# KiCad board Scopefun_v2.kicad_pcb (continued)
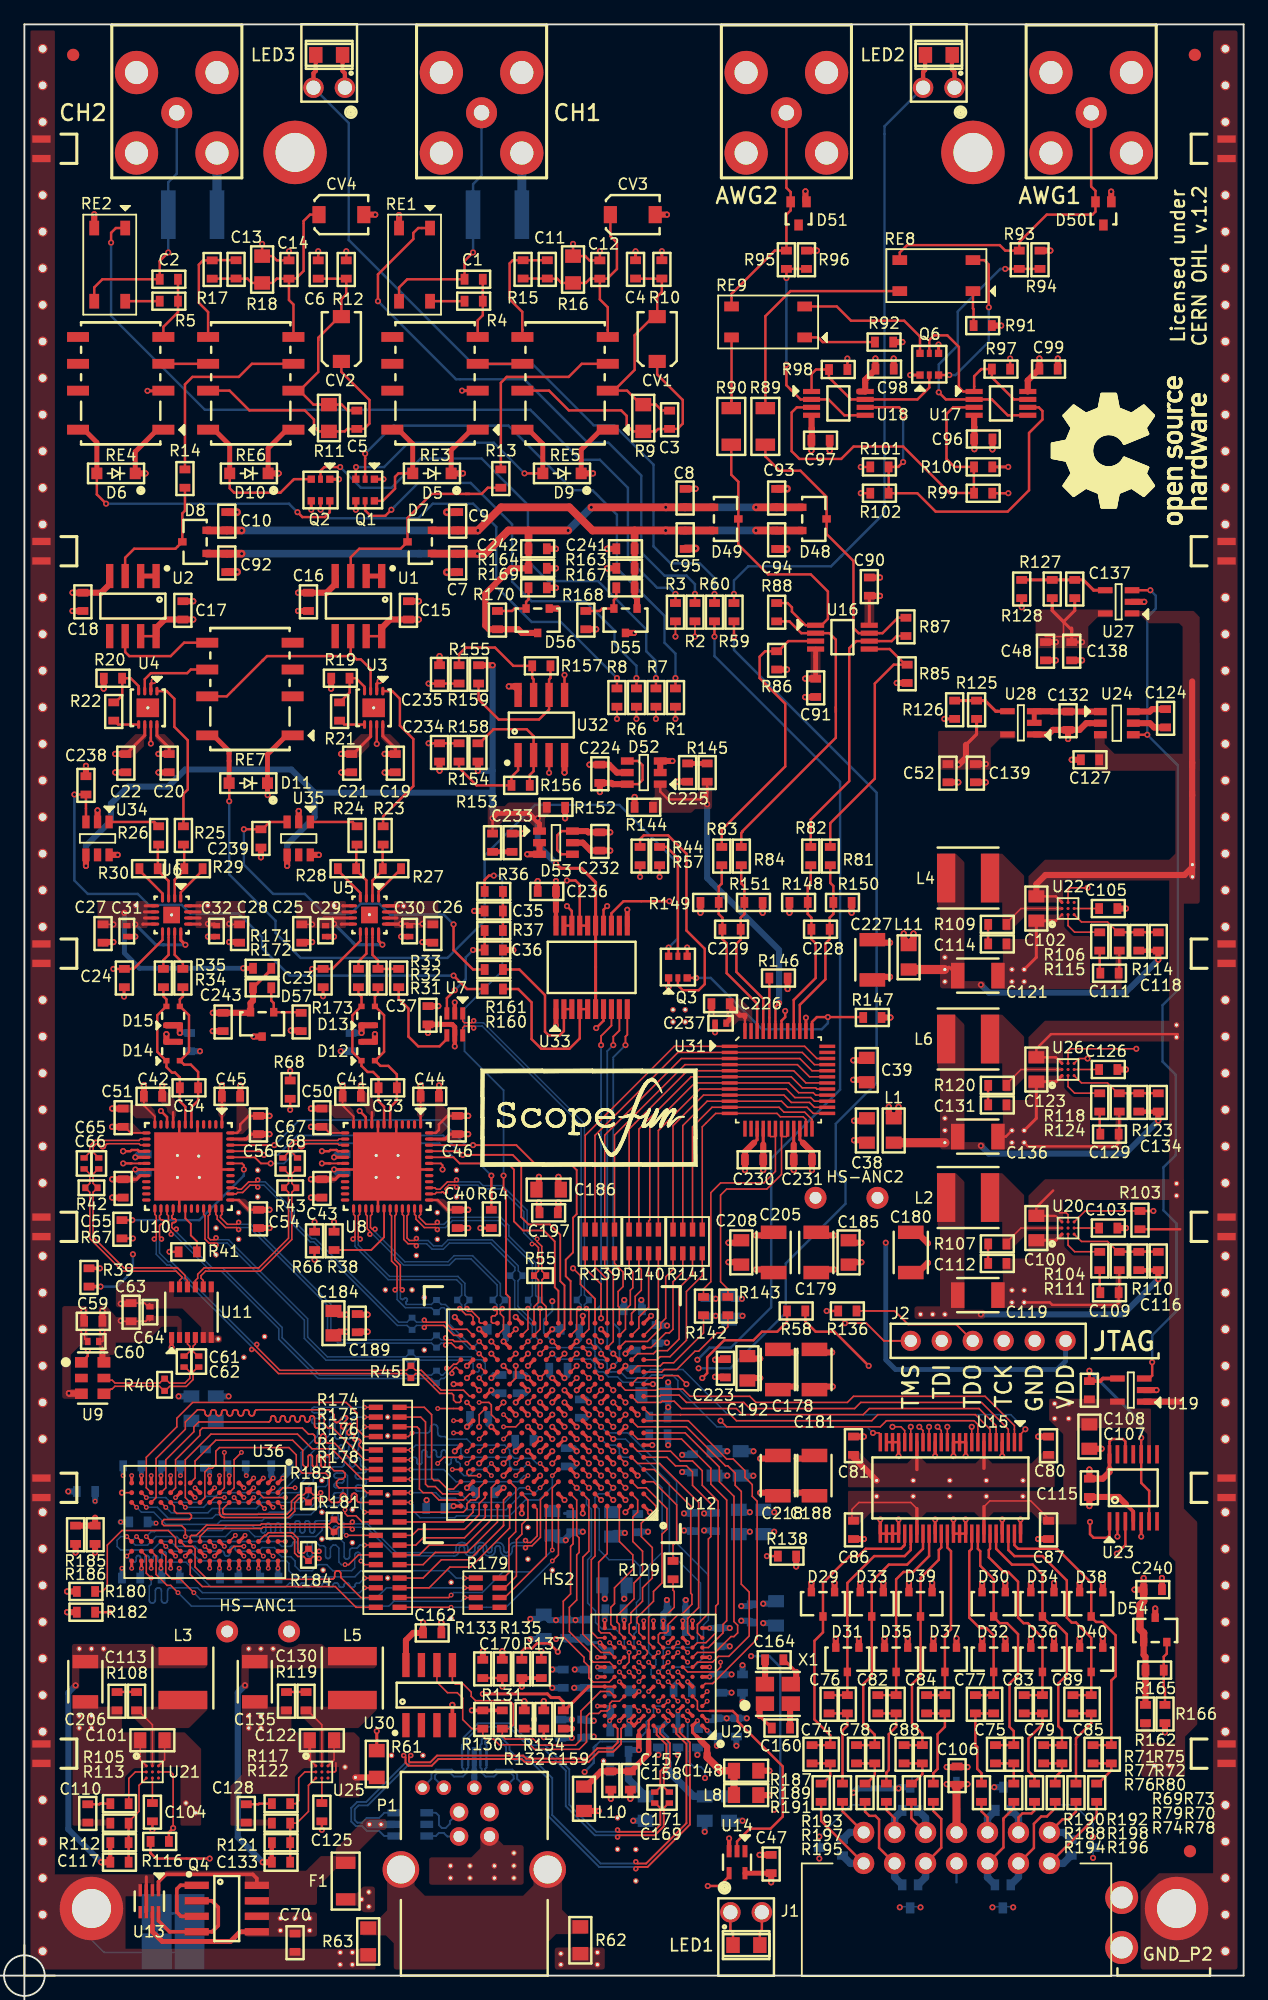
[diagram p0: board, top side]
## Routing (per net, layer and track width the routed paths; a pad name or vN(x,y) marks a point on that pad's centre or on a via; arc(x,y) is an arc through that point) (continued)
DDR3_DQ8: length 29.5
  Top w0.127: U36.D7 v2(18.8,35.2) ; U12.E15 v2(36.3,42)
  In2.Cu w0.127: v2(36.3,42) 35.3,41 34.6,41 34,40.4 34,40.2 33.4,39.6 33.4,39.35 33.55,39.2 33.55,38.75 33.3,38.5 32.4,38.5 28.61,34.71 27.74,34.71 27.36,34.41 27.36,34.4 26,34.4 25.2,35.2 ; v2(18.8,35.2) 19,35.2 19.07,35.21 19.13,35.23 19.19,35.27 19.23,35.31 19.27,35.37 19.29,35.43 19.3,35.5 19.3,36.9 19.31,36.97 19.33,37.03 19.37,37.09 19.41,37.13 19.47,37.17 19.53,37.19 19.6,37.2 19.67,37.19 19.73,37.17 19.79,37.13 19.83,37.09 19.87,37.03 19.89,36.97 19.9,36.9 19.9,35.3 19.91,35.23 19.93,35.17 19.97,35.11 20.01,35.07 20.07,35.03 20.13,35.01 20.2,35 20.27,35.01 20.33,35.03 20.39,35.07 20.43,35.11 20.47,35.17 20.49,35.23 20.5,35.3 20.5,36.7 20.51,36.77 20.53,36.83 20.57,36.89 20.61,36.93 20.67,36.97 20.73,36.99 20.8,37 20.87,36.99 20.93,36.97 20.99,36.93 21.03,36.89 21.07,36.83 21.09,36.77 21.1,36.7 21.1,36.33 21.33,36.1 21.8,36.1 22.2,35.7 23.33,35.7 23.74,35.29 24.36,35.29
  In2.Cu w0.13: 24.36,35.29 25.11,35.29 25.2,35.2
DDR3_DQ9: length 29.2
  Top w0.127: U12.D16 v2(35.1,41.5) ; U36.C3 v2(19.7,38.3)
  In2.Cu w0.127: v2(35.1,41.5) 34.3,41.5 33.3,40.5 33.3,40.2 32.3,39.2 31.5,39.2 31.44,39.19 31.39,39.18 31.34,39.15 31.3,39.11 31.27,39.06 31.26,39.01 31.25,38.95 31.25,38.45 31.24,38.39 31.23,38.34 31.2,38.29 31.16,38.25 31.11,38.22 31.06,38.21 31,38.2 30.94,38.21 30.89,38.22 30.84,38.25 30.8,38.29 30.77,38.34 30.76,38.39 30.75,38.45 30.75,39 30.74,39.04 30.73,39.09 30.71,39.12 30.67,39.16 30.64,39.18 30.59,39.19 30.55,39.2 30.45,39.2 30.41,39.19 30.36,39.18 30.33,39.16 30.29,39.12 30.27,39.09 30.26,39.04 30.25,39 30.25,38.95 30.24,38.89 30.23,38.84 30.2,38.79 30.16,38.75 30.11,38.72 30.06,38.71 30,38.7 29.7,38.7 29.64,38.69 29.59,38.68 29.54,38.65 29.5,38.61 29.47,38.56 29.46,38.51 29.45,38.45 29.46,38.39 29.47,38.34 29.5,38.29 29.54,38.25 29.59,38.22 29.64,38.21 29.7,38.2 30.2,38.2 30.26,38.19 30.31,38.18 30.36,38.15 30.4,38.11 30.43,38.06 30.44,38.01 30.45,37.95 30.45,37.35 30.4,37.3 30.36,37.27 30.31,37.24 30.25,37.23 30.2,37.23 30.14,37.24 30.09,37.27 30.05,37.3 29.76,37.58 29.72,37.62 29.67,37.64 29.61,37.65 29.56,37.65 29.5,37.64 29.45,37.62 29.41,37.58 29.38,37.54 29.35,37.49 29.34,37.43 29.34,37.38 29.35,37.32 29.38,37.27 29.41,37.23 29.69,36.95 29.73,36.9 29.75,36.85 29.76,36.8 29.76,36.74 29.75,36.69 29.73,36.64 29.69,36.59 29.6,36.5 29.56,36.47 29.51,36.44 29.45,36.43 29.4,36.43 29.34,36.44 29.29,36.47 29.25,36.5 28.96,36.78 28.92,36.82 28.87,36.84 28.81,36.85 28.76,36.85 28.7,36.84 28.65,36.82 28.48,36.64 28.45,36.59 28.44,36.53 28.44,36.48 28.45,36.42 28.48,36.37 28.51,36.33 28.79,36.05 28.83,36 28.85,35.95 28.86,35.9 28.86,35.84 28.85,35.79 28.83,35.74 28.79,35.69 28.7,35.6 28.66,35.57 28.61,35.54 28.55,35.53 28.5,35.53 28.44,35.54 28.39,35.57 28.35,35.6 27.86,36.08 27.82,36.12 27.77,36.14 27.71,36.15 27.66,36.15 27.6,36.14 27.55,36.12 27.4,35.96 27.4,35.2 27.2,35 26.3,35 25.8,35.5 25.8,36.1 25.6,36.3 22.4,36.3 20.8,37.9 20.1,37.9 v2(19.7,38.3)
DDR3_DQ10: length 28.6
  Top w0.127: v2(40.3,41) U12.D11 ; U36.C8 v2(19.6,34.4) ; 19.23,34.8 19.23,34.8
  In2.Cu w0.127: v2(40.3,41) 40.3,39.8 31.1,30.6 24.3,30.6 21.4,33.5 21.4,33.6 21.1,33.9 20.1,33.9 v2(19.6,34.4)
DDR3_DQ11: length 31.1
  Top w0.127: U36.C2 19.6,39.2 v2(21.4,39.2) ; 19.23,39.6 19.23,39.6 ; v2(38.3,43) U12.F13
  In2.Cu w0.127: v2(21.4,39.2) 22.07,39.2 22.35,39.48 22.46,39.56 22.52,39.59 22.58,39.61 22.65,39.61 22.71,39.59 22.77,39.56 22.83,39.52 22.87,39.47 22.9,39.41 22.91,39.34 22.91,39.28 22.9,39.21 22.87,39.15 22.83,39.1 22.4,38.67 22.36,38.62 22.33,38.56 22.32,38.49 22.32,38.43 22.33,38.36 22.36,38.3 22.4,38.25 22.46,38.21 22.52,38.18 22.58,38.16 22.65,38.16 22.71,38.18 22.77,38.21 22.88,38.29 22.94,38.32 23.01,38.33 23.07,38.33 23.14,38.32 23.2,38.29 23.25,38.25 23.29,38.2 23.32,38.14 23.34,38.07 23.34,38 23.32,37.94 23.29,37.88 23.21,37.77 23.18,37.71 23.17,37.65 23.17,37.58 23.18,37.51 23.21,37.45 23.25,37.4 23.3,37.36 23.36,37.33 23.43,37.31 23.5,37.31 23.56,37.33 23.62,37.36 23.73,37.44 23.79,37.47 23.85,37.49 23.92,37.49 23.99,37.47 24.05,37.44 24.1,37.4 24.8,37.4 26.1,38.7 26.88,38.7 26.89,38.7 26.94,38.72 27,38.75 27.04,38.8 27.07,38.85 27.09,38.91 27.1,38.97 27.1,39.32 27.11,39.36 27.12,39.41 27.14,39.44 27.18,39.48 27.21,39.5 27.26,39.51 27.3,39.52 27.9,39.52 27.94,39.53 27.99,39.54 28.02,39.56 28.06,39.6 28.08,39.63 28.09,39.68 28.1,39.72 28.09,39.76 28.08,39.81 28.06,39.84 28.02,39.88 27.99,39.9 27.94,39.91 27.9,39.92 27.3,39.92 27.26,39.93 27.21,39.94 27.18,39.96 27.14,40 27.12,40.03 27.11,40.08 27.1,40.12 27.11,40.16 27.12,40.21 27.14,40.24 27.18,40.28 27.21,40.3 27.26,40.31 27.3,40.32 27.9,40.32 27.94,40.33 27.99,40.34 28.02,40.36 28.06,40.4 28.08,40.43 28.09,40.48 28.1,40.52 28.09,40.56 28.08,40.61 28.06,40.64 28.02,40.68 27.99,40.7 27.94,40.71 27.9,40.72 27.4,40.72 27.36,40.73 27.31,40.74 27.28,40.76 27.24,40.8 27.22,40.83 27.21,40.88 27.2,40.92 27.21,40.96 27.22,41.01 27.24,41.04 27.28,41.08 27.31,41.1 27.36,41.11 27.4,41.12 28.12,41.12 28.6,41.6 31,41.6 31.3,41.9 31.9,41.9 32.3,41.5 32.7,41.5 33.6,42.4 34.3,42.4 34.7,42 35.6,42 36.1,42.5 36.5,42.5 36.7,42.7 36.9,42.7 37.1,42.5 37.5,42.5 37.7,42.3 38,42.3 38.3,42.6 v2(38.3,43)
DDR3_DQ12: length 29.4
  Top w0.127: 20.83,35.6 20.83,35.6 ; U12.F12 v2(39.3,43) ; U36.A7 v2(21.4,35.6)
  In2.Cu w0.127: v2(39.3,43) 38.8,42.5 38.8,40.8 38.5,40.5 37.8,40.5 37.71,40.41 37.71,40.41 37.67,40.36 37.64,40.3 37.62,40.23 37.62,40.17 37.64,40.1 37.67,40.04 37.71,39.99 37.85,39.85 37.89,39.79 37.92,39.73 37.94,39.67 37.94,39.6 37.92,39.53 37.89,39.47 37.85,39.42 37.8,39.38 37.74,39.35 37.67,39.34 37.61,39.34 37.54,39.35 37.48,39.38 37.43,39.42 37.29,39.56 37.23,39.61 37.17,39.63 37.11,39.65 37.04,39.65 36.97,39.63 36.91,39.61 36.86,39.56 36.77,39.47 36.77,39.47 36.73,39.42 36.7,39.36 36.69,39.3 36.69,39.23 36.7,39.16 36.73,39.1 36.77,39.05 36.91,38.91 36.96,38.86 36.98,38.8 37,38.73 37,38.66 36.98,38.6 36.96,38.54 36.91,38.48 36.86,38.44 36.8,38.41 36.73,38.4 36.67,38.4 36.6,38.41 36.54,38.44 36.49,38.48 36.35,38.63 36.3,38.67 36.23,38.7 36.17,38.71 36.1,38.71 36.04,38.7 35.98,38.67 35.92,38.63 35.84,38.54 35.83,38.54 35.79,38.49 35.76,38.43 35.75,38.36 35.75,38.29 35.76,38.23 35.79,38.17 35.83,38.11 35.98,37.97 36.02,37.92 36.05,37.86 36.06,37.79 36.06,37.73 36.05,37.66 36.02,37.6 35.98,37.55 35.73,37.3 35.4,37.3 30.1,32 29.4,32 29.2,32.2 27.6,32.2 27.5,32.1 24.9,32.1 v2(21.4,35.6)
DDR3_DQ13: length 29.2
  Top w0.127: U12.F15 36.3,43 v2(36.3,43) ; U36.A2 21.2,40 v2(22.2,40)
  In2.Cu w0.127: v2(36.3,43) 36,43 35.51,42.5 35,42.5 34.7,42.8 33.2,42.8 32.8,42.4 32.3,42.4 32,42.7 31,42.7 30.94,42.69 30.89,42.68 30.84,42.65 30.8,42.61 30.77,42.56 30.76,42.51 30.75,42.45 30.75,42.35 30.74,42.29 30.73,42.24 30.7,42.19 30.66,42.15 30.61,42.12 30.56,42.11 30.5,42.1 30.44,42.11 30.39,42.12 30.34,42.15 30.3,42.19 30.27,42.24 30.26,42.29 30.25,42.35 30.25,42.55 30.24,42.61 30.23,42.66 30.2,42.71 30.16,42.75 30.11,42.78 30.06,42.79 30,42.8 29.94,42.79 29.89,42.78 29.84,42.75 29.8,42.71 29.77,42.66 29.76,42.61 29.75,42.55 29.75,42.35 29.74,42.29 29.73,42.24 29.7,42.19 29.66,42.15 29.61,42.12 29.56,42.11 29.5,42.1 29.44,42.11 29.39,42.12 29.34,42.15 29.3,42.19 29.27,42.24 29.26,42.29 29.25,42.35 29.25,42.55 29.24,42.61 29.23,42.66 29.2,42.71 29.16,42.75 29.11,42.78 29.06,42.79 29,42.8 28.94,42.79 28.89,42.78 28.84,42.75 28.8,42.71 28.77,42.66 28.76,42.61 28.75,42.55 28.75,42.25 28.74,42.19 28.73,42.14 28.7,42.09 28.66,42.05 28.61,42.02 28.56,42.01 28.5,42 28.44,42.01 28.39,42.02 28.34,42.05 28.3,42.09 28.27,42.14 28.26,42.19 28.25,42.25 28.25,42.55 28.24,42.61 28.23,42.66 28.2,42.71 28.16,42.75 28.11,42.78 28.06,42.79 28,42.8 27.94,42.79 27.89,42.78 27.84,42.75 27.8,42.71 27.77,42.66 27.76,42.61 27.74,42.49 27.74,41.79 27.73,41.74 27.7,41.69 27.66,41.65 27.61,41.62 27.56,41.61 27.5,41.6 27.44,41.61 27.39,41.62 27.34,41.65 27.3,41.69 27.27,41.74 27.26,41.79 27.26,42.29 27.24,42.41 27.23,42.46 27.2,42.51 27.16,42.55 27.11,42.58 27.06,42.59 27,42.6 26.94,42.59 26.89,42.58 26.84,42.55 26.8,42.51 26.77,42.46 26.76,42.41 26.74,42.29 26.74,40.66 26.7,40.62 26.7,40.4 26.69,40.34 26.68,40.29 26.65,40.24 26.61,40.2 26.56,40.17 26.51,40.16 26.45,40.15 26.15,40.15 26.09,40.14 26.04,40.13 25.99,40.1 25.95,40.06 25.92,40.01 25.91,39.96 25.9,39.9 25.91,39.84 25.92,39.79 25.95,39.74 25.99,39.7 26.04,39.67 26.09,39.66 26.15,39.65 26.25,39.65 26.31,39.64 26.36,39.63 26.41,39.6 26.45,39.56 26.48,39.51 26.49,39.46 26.5,39.4 26.49,39.34 26.48,39.29 26.45,39.24 26.41,39.2 26.36,39.17 26.31,39.16 26.25,39.15 25.75,39.15 25.1,38.5 24,38.5 23.61,38.89 23.61,39.6 23.6,39.66 23.58,39.71 23.55,39.76 23.51,39.8 23.46,39.83 23.41,39.84 23.3,39.86 23.25,39.87 23.2,39.9 23.16,39.94 23.13,39.99 23.11,40.04 23.11,40.1 23.11,40.2 23.11,40.26 23.13,40.31 23.16,40.36 23.2,40.4 23.25,40.43 23.3,40.44 23.41,40.46 23.46,40.47 23.51,40.5 23.55,40.54 23.58,40.59 23.6,40.64 23.61,40.7 23.6,40.76 23.58,40.81 23.55,40.86 23.51,40.9 23.46,40.93 23.41,40.94 23.36,40.95 23.06,40.95 23,40.94 22.95,40.93 22.9,40.9 22.86,40.86 22.83,40.81 22.81,40.76 22.8,40.64 22.78,40.59 22.75,40.54 22.61,40.4 22.6,40.4 v2(22.2,40)
DDR3_DQ14: length 27.7
  Top w0.127: U12.E11 v2(40.3,42) ; 20.03,34.8 20.03,34.8 ; U36.B8 v2(20.4,34.4)
  In2.Cu w0.127: v2(40.3,42) 39.8,41.5 39.8,40.8 39.5,40.5 39.1,40.5 38.8,40.2 38.8,39.5 30.6,31.3 24.7,31.3 21.7,34.3 21.1,34.3 21,34.4 v2(20.4,34.4)
DDR3_DQ15: length 28.7
  Top w0.127: U36.A3 v2(21.2,38.4) ; 20.83,38.8 20.83,38.8 ; U12.E16 34.4,42.5 v2(33.9,42)
  In2.Cu w0.127: v2(33.9,42) 33,41.1 32.94,41.09 32.89,41.08 32.84,41.05 32.8,41.01 32.77,40.96 32.76,40.91 32.75,40.85 32.75,40.45 32.74,40.39 32.73,40.34 32.7,40.29 32.66,40.25 32.61,40.22 32.56,40.21 32.5,40.2 32.44,40.21 32.39,40.22 32.34,40.25 32.3,40.29 32.27,40.34 32.26,40.39 32.25,40.45 32.25,40.85 32.24,40.91 32.23,40.96 32.2,41.01 32.16,41.05 32.11,41.08 32.06,41.09 32,41.1 31,41.1 30.94,41.09 30.89,41.08 30.84,41.05 30.8,41.01 30.77,40.96 30.76,40.91 30.75,40.85 30.75,40.15 30.74,40.09 30.73,40.04 30.7,39.99 30.66,39.95 30.61,39.92 30.56,39.91 30.5,39.9 30.44,39.91 30.39,39.92 30.34,39.95 30.3,39.99 30.27,40.04 30.26,40.09 30.25,40.15 30.25,40.85 30.24,40.91 30.23,40.96 30.2,41.01 30.16,41.05 30.11,41.08 30.06,41.09 30,41.1 29.94,41.09 29.89,41.08 29.84,41.05 29.8,41.01 29.77,40.96 29.76,40.91 29.75,40.85 29.75,40.15 29.74,40.09 29.73,40.04 29.7,39.99 29.66,39.95 29.61,39.92 29.56,39.91 29.5,39.9 29.44,39.91 29.39,39.92 29.34,39.95 29.3,39.99 29.27,40.04 29.26,40.09 29.25,40.15 29.25,40.85 29.24,40.91 29.23,40.96 29.2,41.01 29.16,41.05 29.11,41.08 29.06,41.09 29,41.1 28.94,41.09 28.89,41.08 28.84,41.05 28.8,41.01 28.77,40.96 28.76,40.91 28.75,40.85 28.75,39.85 28.76,39.79 28.78,39.73 28.81,39.68 28.85,39.63 28.91,39.6 28.96,39.58 29.09,39.57 29.14,39.55 29.2,39.52 29.24,39.47 29.27,39.42 29.29,39.36 29.3,39.3 29.29,39.24 29.27,39.18 29.24,39.13 29.2,39.08 29.14,39.05 29.09,39.03 29.02,39.03 27.98,39.03 27.91,39.02 27.86,39 27.8,38.97 27.76,38.92 27.73,38.87 27.71,38.81 27.7,38.75 27.71,38.69 27.73,38.63 27.76,38.58 27.8,38.53 27.86,38.5 27.91,38.48 27.98,38.47 28.48,38.47 28.54,38.47 28.59,38.45 28.65,38.42 28.69,38.37 28.72,38.32 28.74,38.26 28.75,38.2 28.75,37.75 28.2,37.2 27.7,37.2 27.2,37.7 26.3,37.7 26.1,37.5 26.1,37.1 25.8,36.8 22.8,36.8 21.8,37.8 21.8,38.2 21.6,38.4 v2(21.2,38.4)
DDR3_DQS0_N: length 35.2
  Top w0.127: v3(24.3,39) 24.14,39.17 23.69,39.17 23.33,38.8 R183.2 23.27,38.8 22.91,39.17 22.56,39.17 22.17,38.78 22.17,38.08 21.66,37.57 16.41,37.57 16.32,37.58 16.23,37.61 16.16,37.65 16.09,37.72 16.04,37.8 16.01,37.88 16,37.97 16,37.98 U36.G3 16,38.8 ; v2(37.3,43) U12.F14
  In2.Cu w0.13: v3(24.3,39) 24.42,39.13 24.88,39.13 25.27,39.52 25.27,40.45 25.28,40.48 25.29,40.52 25.31,40.54 25.33,40.57 25.36,40.59 25.39,40.6 25.42,40.6 25.63,40.6 25.73,40.61 25.83,40.65 25.92,40.7 25.99,40.78 26.05,40.87 26.08,40.97 26.1,41.07 26.1,41.13 26.08,41.23 26.05,41.33 25.99,41.42 25.92,41.5 25.83,41.55 25.73,41.59 25.63,41.6 24.3,41.6 24.27,41.6 24.24,41.61 24.21,41.63 24.18,41.66 24.17,41.68 24.15,41.72 24.15,41.75 24.15,41.78 24.17,41.82 24.18,41.84 24.21,41.87 24.24,41.89 24.27,41.9 24.77,41.9 25.25,42.37 25.25,43.91 25.25,43.94 25.26,43.97 25.28,43.99 25.3,44.01 25.32,44.03 25.35,44.04 25.38,44.04 25.41,44.04 25.43,44.03 25.46,44.01 25.48,43.99 25.49,43.97 25.5,43.94 25.51,43.91 25.51,43.58 25.52,43.48 25.55,43.38 25.61,43.3 25.68,43.22 25.76,43.17 25.86,43.14 25.96,43.13 26,43.13 26.1,43.14 26.19,43.17 26.28,43.22 26.35,43.3 26.4,43.38 26.44,43.48 26.45,43.58 26.45,43.91 26.45,43.94 26.46,43.97 26.48,43.99 26.5,44.01 26.52,44.03 26.55,44.04 26.58,44.04 26.61,44.04 26.63,44.03 26.66,44.01 26.68,43.99 26.69,43.97 26.7,43.94 26.71,43.91 26.71,43.78 26.72,43.68 26.75,43.58 26.81,43.5 26.88,43.42 26.96,43.37 27.06,43.34 27.16,43.33 27.6,43.33 27.8,43.53 29.23,43.53 29.33,43.43 30.67,43.43 30.78,43.54 35.7,43.54 36.05,43.88 36.05,44 36.05,44.03 36.06,44.06 36.08,44.09 36.11,44.12 36.13,44.13 36.17,44.15 36.2,44.15 36.23,44.15 36.27,44.13 36.29,44.12 36.32,44.09 36.34,44.06 36.35,44.03 36.35,44 36.35,43.8 36.36,43.69 36.4,43.59 36.45,43.5 36.53,43.43 36.62,43.37 36.72,43.34 36.82,43.33 36.97,43.33 v2(37.3,43)
DDR3_DQS0_P: length 34.9
  Top w0.127: v3(24.3,39.6) 24.14,39.43 23.69,39.43 23.33,39.8 R183.1 23.27,39.8 22.91,39.43 22.44,39.43 21.9,38.9 21.9,38.2 21.54,37.83 16.44,37.83 16.4,37.84 16.36,37.85 16.33,37.87 16.31,37.9 16.29,37.93 16.27,37.96 16.27,38 16.27,38.27 U36.F3 ; U12.G14 v2(37.3,44)
  In2.Cu w0.13: v2(37.3,44) 36.97,43.67 36.85,43.67 36.82,43.68 36.78,43.69 36.76,43.71 36.73,43.73 36.71,43.76 36.7,43.79 36.7,43.83 36.7,44.03 36.69,44.13 36.65,44.23 36.6,44.32 36.52,44.39 36.43,44.45 36.33,44.48 36.23,44.5 36.17,44.5 36.07,44.48 35.97,44.45 35.88,44.39 35.8,44.32 35.75,44.23 35.71,44.13 35.7,44.03 35.56,43.88 30.64,43.88 30.53,43.77 29.48,43.77 29.38,43.87 27.66,43.87 27.46,43.67 27.18,43.67 27.15,43.68 27.13,43.69 27.1,43.7 27.08,43.72 27.07,43.75 27.06,43.77 27.05,43.8 27.05,43.94 27.04,44.04 27.01,44.13 26.96,44.22 26.88,44.29 26.8,44.34 26.7,44.37 26.61,44.39 26.55,44.39 26.45,44.37 26.36,44.34 26.27,44.29 26.2,44.22 26.15,44.13 26.11,44.04 26.1,43.94 26.1,43.6 26.1,43.57 26.09,43.55 26.07,43.52 26.05,43.5 26.03,43.49 26,43.48 25.97,43.47 25.98,43.47 25.95,43.48 25.93,43.49 25.9,43.5 25.88,43.52 25.87,43.55 25.86,43.57 25.85,43.6 25.85,43.94 25.84,44.04 25.81,44.13 25.76,44.22 25.68,44.29 25.6,44.34 25.5,44.37 25.41,44.39 25.35,44.39 25.25,44.37 25.16,44.34 25.07,44.29 25,44.22 24.95,44.13 24.91,44.04 24.9,43.94 24.9,43.8 24.9,43.77 24.9,42.51 24.63,42.25 24.24,42.25 24.17,42.24 24.07,42.2 23.98,42.15 23.91,42.07 23.85,41.98 23.82,41.88 23.8,41.78 23.8,41.72 23.82,41.62 23.85,41.52 23.91,41.43 23.98,41.35 24.07,41.3 24.17,41.26 24.27,41.25 25.6,41.25 25.63,41.25 25.66,41.24 25.69,41.22 25.72,41.19 25.73,41.17 25.75,41.13 25.75,41.1 25.75,41.07 25.73,41.03 25.72,41.01 25.69,40.98 25.66,40.96 25.63,40.95 25.6,40.95 25.4,40.95 25.29,40.94 25.19,40.9 25.1,40.85 25.03,40.77 24.97,40.68 24.94,40.58 24.93,40.48 24.93,39.66 24.74,39.47 24.42,39.47 v3(24.3,39.6)
DDR3_DQS1_N: length 30.9
  Top w0.127: v3(24.17,34.2) 24.01,34.37 23.68,34.37 23.31,34 ; U12.D15 36.45,41.5 36.3,41.35 36.3,41.15 36.45,41 v2(37.3,41) ; R184.2 23.27,34 22.91,34.37 22.44,34.37 22.17,34.64 22.17,35.74 21.86,36.05 20.13,36.05 20,35.92 U36.B7 20,35.7
  In2.Cu w0.127: v2(37.3,41) 37.3,40.4 37.15,40.25 36.9,40.25 36.8,40.35 36.8,40.65
  In2.Cu w0.13: v3(24.17,34.2) 24.29,34.33 24.63,34.33 25.13,33.83 25.13,33.33 25.63,32.83 26.67,32.83 26.97,33.13 28.67,33.13 29.58,34.04 29.62,34.07 29.65,34.08 29.7,34.09 29.74,34.09 29.78,34.08 29.82,34.07 29.85,34.04 29.99,33.89 30.08,33.82 30.18,33.78 30.29,33.75 30.4,33.75 30.51,33.78 30.61,33.82 30.7,33.89 30.77,33.96 30.84,34.05 30.89,34.15 30.91,34.26 30.91,34.37 30.89,34.48 30.84,34.58 30.77,34.67 30.62,34.81 30.6,34.85 30.58,34.88 30.57,34.93 30.57,34.97 30.58,35.01 30.6,35.05 30.62,35.08 30.64,35.1 30.68,35.13 30.71,35.14 30.76,35.15 30.8,35.15 30.84,35.14 30.88,35.13 30.91,35.1 31.05,34.96 31.14,34.89 31.24,34.84 31.35,34.81 31.46,34.81 31.57,34.84 31.68,34.89 31.76,34.96 31.83,35.02 31.9,35.11 31.95,35.21 31.97,35.32 31.97,35.43 31.95,35.54 31.9,35.64 31.83,35.73 31.68,35.87 31.66,35.91 31.64,35.95 31.63,35.99 31.63,36.03 31.64,36.07 31.66,36.11 31.68,36.14 31.71,36.16 31.74,36.19 31.78,36.2 31.82,36.21 31.86,36.21 31.9,36.2 31.94,36.19 31.97,36.16 32.11,36.02 32.2,35.95 32.3,35.9 32.41,35.87 32.53,35.87 32.63,35.9 32.74,35.95 32.82,36.02 32.89,36.08 32.96,36.17 33.01,36.27 33.03,36.38 33.03,36.49 33.01,36.6 32.96,36.7 32.89,36.79 32.74,36.94 32.72,36.97 32.7,37.01 32.69,37.05 32.69,37.09 32.7,37.13 32.72,37.17 32.74,37.2 32.93,37.39 34.23,37.39 34.67,37.83 34.67,39.09 36.32,40.73 36.72,40.73 36.8,40.65
DDR3_DQS1_P: length 30.8
  Top w0.127: U12.D14 v2(38.3,41) ; v3(24.17,34.8) 24.01,34.63 23.68,34.63 23.31,35 ; R184.1 23.27,35 22.91,34.63 22.56,34.63 22.43,34.76 22.43,35.86 21.97,36.32 21.89,36.32 20.02,36.32 19.8,36.1 19.7,36.1 U36.C7
  In2.Cu w0.13: v3(24.17,34.8) 24.29,34.67 24.77,34.67 25.47,33.97 25.47,33.47 25.77,33.17 26.53,33.17 26.83,33.47 28.53,33.47 29.36,34.31 29.45,34.38 29.55,34.42 29.66,34.45 29.77,34.45 29.88,34.42 29.98,34.38 30.07,34.31 30.22,34.16 30.25,34.14 30.29,34.12 30.33,34.11 30.37,34.11 30.41,34.12 30.45,34.14 30.48,34.16 30.5,34.18 30.53,34.22 30.55,34.25 30.55,34.29 30.55,34.34 30.55,34.38 30.53,34.41 30.5,34.45 30.36,34.59 30.29,34.68 30.24,34.78 30.21,34.89 30.21,35 30.24,35.11 30.29,35.21 30.36,35.3 30.42,35.37 30.51,35.44 30.61,35.49 30.72,35.51 30.83,35.51 30.94,35.49 31.04,35.44 31.13,35.37 31.28,35.22 31.31,35.2 31.35,35.18 31.39,35.17 31.43,35.17 31.47,35.18 31.51,35.2 31.54,35.22 31.56,35.24 31.59,35.28 31.61,35.31 31.62,35.35 31.62,35.4 31.61,35.44 31.59,35.47 31.56,35.51 31.42,35.65 31.35,35.74 31.3,35.84 31.27,35.95 31.27,36.06 31.3,36.17 31.35,36.27 31.42,36.36 31.48,36.43 31.57,36.5 31.67,36.55 31.78,36.57 31.89,36.57 32,36.55 32.1,36.5 32.19,36.43 32.34,36.28 32.37,36.26 32.41,36.24 32.45,36.23 32.49,36.23 32.53,36.24 32.57,36.26 32.6,36.28 32.62,36.3 32.65,36.34 32.67,36.37 32.68,36.42 32.68,36.46 32.67,36.5 32.65,36.54 32.62,36.57 32.48,36.71 32.41,36.8 32.36,36.9 32.33,37.01 32.33,37.12 32.36,37.23 32.41,37.33 32.48,37.42 32.79,37.73 34.09,37.73 34.33,37.97 34.33,39.27 36.16,41.1 36.7,41.1 37.1,41.5 37.5,41.5 38,41 v2(38.3,41)
DDR3_ODT: length 13.5
  Top w0.127: U12.C9 v2(42.3,40) ; v2(31.7,39.6) 30.8,39.6
  Bottom w0.127: v2(31.7,39.6) 33.75,39.6 34.2,39.15 35.35,39.15 36.3,38.2 39.5,38.2 40.8,39.5 41.8,39.5 v2(42.3,40)
DDR3_RAS#: length 16
  Top w0.127: U12.D8 v2(43.3,41) ; v2(31.7,38.8) 30.8,38.8
  Bottom w0.127: v2(43.3,41) 43.3,40.1 42.2,39 41.1,39 39.8,37.7 35.45,37.7 35.3,37.55 32.45,37.55 31.9,38.1 31.9,38.6 v2(31.7,38.8)
DDR3_RESET#: length 59.9
  Top w0.127: U12.E12 v1(39.3,42) ; v1(8,39.6) U36.T2
  Top w0.2: v3(7,29.8) R182.1
  In2.Cu w0.127: v1(39.3,42) U12.E12 40.5,42.5 40.8,42.2 40.8,39 40.2,38.4 40.2,33.2 35.2,28.2 25.15,28.2 23.55,29.8 v3(7,29.8)
  In2.Cu w0.2: v1(8,39.6) 7.3,38.9 7.3,33 7,32.7 v3(7,29.8)
DDR3_WE#: length 10.6
  Top w0.127: R174.7 32.5,45.8 32.9,45.4 32.9,40.3 33.1,40.1 33.7,40.1 34.3,39.5 U12.B16
dir_5_0: length 45.8
  Top w0.127: v1(82.1,44.8) 81.7,44.4 U15.1 ; U12.P9 v1(42.3,51)
  Bottom w0.127: v1(42.3,51) U12.P9 46.5,51.5 46.8,51.2 46.8,50.8 47.1,50.5 47.5,50.5 47.8,50.2 47.8,49.8 48.1,49.5 48.9,49.5 49.4,49 50.65,49 51.35,49.7 54,49.7 57.7,46 80.9,46 v1(82.1,44.8)
dir_11_6: length 32.1
  Top w0.127: U15.24 70.2,44.4 70.1,44.5 v1(69.6,44.5) ; U12.N9 v1(43.3,51)
  Bottom w0.127: v1(43.3,51) 43.75,50.55 46.45,50.55 46.8,50.2 46.8,49.8 47.1,49.5 47.5,49.5 47.9,49.1 48.65,49.1 49.1,48.65 50.85,48.65 51.45,49.25 53.15,49.25 53.6,48.8 53.6,48.2 56.8,45 69.1,45 v1(69.6,44.5)
DONE: length 41.8
  Top w0.127: U29.D1 v2(56,23.3) ; v1(42.3,45) U12.H10
  Top w0.2: v1(43.75,26.55) 43.05,27.25 42.05,27.25 41.65,26.85 41.05,26.85 40.8,26.6 R135.2
  In2.Cu w0.127: v2(56,23.3) U29.D1 54.8,22.9 54.45,23.25 52.05,23.25 51.6,23.7 50,23.7 49.6,23.3 46.7,23.3 45.9,24.1 44.5,24.1 44,24.6 44,25.65 43.75,25.9 v1(43.75,26.55) 43,27.3 43,29.8 43.9,30.7 43.9,35.2 43.8,35.3 43.8,37.6 44.8,38.6 44.8,42.8 43.8,43.8 43.8,44.2 43.5,44.5 42.8,44.5 v1(42.3,45)
dpot_cs: length 75.8
  Top w0.127: U23.1 89,36.6
  Top w0.15: U12.N11 v1(41.3,51)
  Top w0.2: U23.1 89,36.1 88.8,35.9 87.7,35.9 87.4,36.2 v1(87.4,37.2)
  In2.Cu w0.15: 77.83,57.25 77.75,57.25 ; 77.75,57.25 82.55,57.25 86.95,52.85 86.95,50.5 86.45,50 86.45,38.15 v1(87.4,37.2) ; 77.75,57.25 68.88,57.25 66.9,59.22 51.92,59.22 51.2,58.5 48.6,58.5 47.45,57.35 43.65,57.35 42.6,56.3 42.6,55.35 42.8,55.15 42.8,54.2 42.3,53.7 42.3,53 41.8,52.5 41.8,51.5 v1(41.3,51)
dpot_sck: length 72.2
  Top w0.15: U12.P8 v1(43.3,52)
  Top w0.2: U23.2 v1(89.65,36)
  In2.Cu w0.15: 50.4,57.8 48.8,57.8 47.8,56.8 44.35,56.8 43.3,55.75 v1(43.3,55.3) ; 50.4,57.8 58.83,57.8 59.58,58.55 64.83,58.55 66.88,56.5 78.8,56.5 80.9,54.4 83.3,54.4 84.1,53.6 84.1,50.9 85.05,49.95 85.05,44.05 85.7,43.4 85.7,42.83 ; 50.4,57.8 50.5,57.8 ; 85.7,42.83 85.7,37.8 88.2,35.3 88.95,35.3 v1(89.65,36) ; 85.7,42.83 85.7,42.9
  Bottom w0.15: v1(43.3,55.3) 43.3,54.5 42.6,53.8 42.6,52.7 v1(43.3,52)
dpot_si: length 77.6
  Top w0.15: U12.J13 v1(39.3,47)
  Top w0.2: v1(89.6,34.6) 90.3,35.3 U23.3
  In2.Cu w0.15: 74.72,55.8 74.6,55.8 ; 74.6,55.8 78.65,55.8 81.6,52.85 81.6,47 83.85,44.75 83.85,41.9 84.85,40.9 84.85,37.55 87.8,34.6 v1(89.6,34.6) ; 74.6,55.8 66,55.8 64.7,57.1 49.1,57.1 48.3,56.3 45,56.3 43.8,55.1 43.8,54.3 42.8,53.3 42.8,49.8 42.5,49.5 41,49.5 39.3,47.8 v1(39.3,47)
faddr[0]: length 22.1
  Top w0.127: U12.F3 v1(49.3,43) ; U29.H5 v2(52.8,26.5)
  In2.Cu w0.127: v2(52.8,26.5) 53.2,26.9 53.8,26.9 54,27.1 54,27.7 54.4,28.1 54.4,29.6 54.75,29.95 54.75,31.25 54.4,31.6 54.4,35.8 54.6,36 54.6,39 50.6,43 v1(49.3,43)
faddr[1]: length 18.5
  Top w0.127: U29.J5 52,27.3 52,27.95 52.15,28.1 52.65,28.1 52.8,28.25 52.8,28.8 53.6,29.6 53.9,29.6 54.75,30.45 54.75,31.25 54.65,31.35 54.65,38.5 51.65,41.5 U12.D1
fdata[0]: length 17.8
  Top w0.127: U12.A7 45,38.3 45,35.4 44.8,35.2 44.8,31.3 44.2,30.7 44.2,27.8 45.9,26.1 45.9,25.75 46.3,25.35 46.3,24.4 46.63,24.07 47.97,24.07 U29.F10
fdata[1]: length 19.8
  Top w0.127: v2(48.8,24.9) U29.F9 ; U12.D6 v1(46.3,41)
  In2.Cu w0.127: v1(46.3,41) 46.8,40.5 46.8,35.1 46,34.3 46,26.8 46.3,26.5 46.3,26.1 46.7,25.7 47.25,25.7 48.05,24.9 v2(48.8,24.9)
fdata[2]: length 30.6
  Top w0.127: U12.J5 v1(47.3,46) ; U29.F7 v2(50.4,24.1)
  In2.Cu w0.127: v2(50.4,24.1) 49.6,24.1 49.2,23.7 47,23.7 46.2,24.5 44.9,24.5 44.6,24.8 44.6,27.65 44.2,28.05 44.2,29.95 45,30.75 45,37.9 45.3,38.2 45.3,38.9 45.8,39.4 45.8,43.2 46.1,43.5 46.5,43.5 46.8,43.8 46.8,45.5 v1(47.3,46)
fdata[3]: length 17.1
  Top w0.127: U29.G10 48,25.7 46.65,25.7 46.4,25.95 46.4,26.5 44.7,28.2 44.7,30.2 45.3,30.8 45.3,34.5 45.5,34.7 45.5,35.9 45.3,36.1 45.3,39 U12.B7
fdata[4]: length 18.2
  Top w0.127: U12.C7 v1(45.3,40) ; U29.G9 49.6,25.7 v2(49.6,26.5)
  Bottom w0.127: v1(45.3,40) 46.1,39.2 46.1,38.65 46.5,38.25 46.5,34.4 46.2,34.1 46.2,30.55 46.85,29.9 46.85,28.95 47.4,28.4 48.5,28.4 49.2,27.7 49.2,26.9 v2(49.6,26.5)
fdata[5]: length 17.4
  Top w0.127: U12.B5 v1(47.3,39) ; U29.F8 v2(49.6,24.9)
  In2.Cu w0.127: v2(49.6,24.9) 49.2,25.3 48.4,25.3 46.6,27.1 46.6,34.1 47.3,34.8 v1(47.3,39)
fdata[6]: length 15.3
  Top w0.127: U29.H10 48,26.5 47.3,26.5 45.8,28 45.8,34.3 46.3,34.8 46.3,39 U12.B6
fdata[7]: length 15.2
  Top w0.127: U12.B4 v1(48.3,39) ; U29.H9 v2(48.8,25.7)
  In2.Cu w0.127: v1(48.3,39) 48.3,34 47.9,33.6 47.9,31.5 48.1,31.3 48.1,28 48.4,27.7 48.4,27 ; 48.4,27 48.4,26.1 v2(48.8,25.7) ; 48.4,27 48.4,26.9
fdata[8]: length 15.8
  Top w0.127: U12.D5 v1(47.3,41) ; U29.J10 v2(48,27.3)
  In2.Cu w0.127: v1(47.3,41) 47.8,40.5 47.8,34.5 47.1,33.8 47.1,28.9 47.6,28.4 47.6,27.7 v2(48,27.3)
fdata[9]: length 15.3
  Top w0.127: U12.D4 v1(48.3,41) ; U29.J9 v2(48.8,27.3)
  In2.Cu w0.127: v2(48.8,27.3) 48.8,28.1 48.7,28.2 48.7,33 48.8,33.1 48.8,40.5 v1(48.3,41)
fdata[10]: length 11.7
  Top w0.127: U29.K11 47,27.7 46.5,28.2 46.5,34.1 46.8,34.4 U12.A5
fdata[11]: length 11.3
  Top w0.127: U29.L10 48.1,28.8 48.1,30.2 48.4,30.5 48.4,31.8 49.9,33.3 49.9,34.5 48.8,35.6 U12.A3
fdata[12]: length 12
  Top w0.127: U12.A4 47.8,34.6 47.1,33.9 47.1,28.3 47.3,28.1 48,28.1 U29.K10
fdata[13]: length 13.6
  Top w0.127: U12.B2 50.3,39 50.3,38 49.9,37.6 49.9,35.6 50.7,34.8 50.7,32.9 50,32.2 50,30.9 48.6,29.5 48.6,29 48.8,28.8 48.8,28.1 U29.K9
fdata[14]: length 12.4
  Top w0.127: U12.A2 v1(49.3,38) ; U29.J8 v2(49.6,27.3)
  In2.Cu w0.127: v1(49.3,38) 50,37.3 50,32.6 49.75,32.35 49.75,28.75 49.6,28.6 v2(49.6,27.3)
fdata[15]: length 21.9
  Top w0.127: U12.C6 v1(46.3,40) ; U29.G8 v2(50.4,24.9)
  In2.Cu w0.127: v1(46.3,40) 46.3,35.4 45.5,34.6 45.5,30.35 44.7,29.55 44.7,28.6 45.4,27.9 45.4,26.2 46.7,24.9 47.3,24.9 47.7,24.5 50,24.5 v2(50.4,24.9)